# KiCad board ADHW.kicad_pcb (continued)
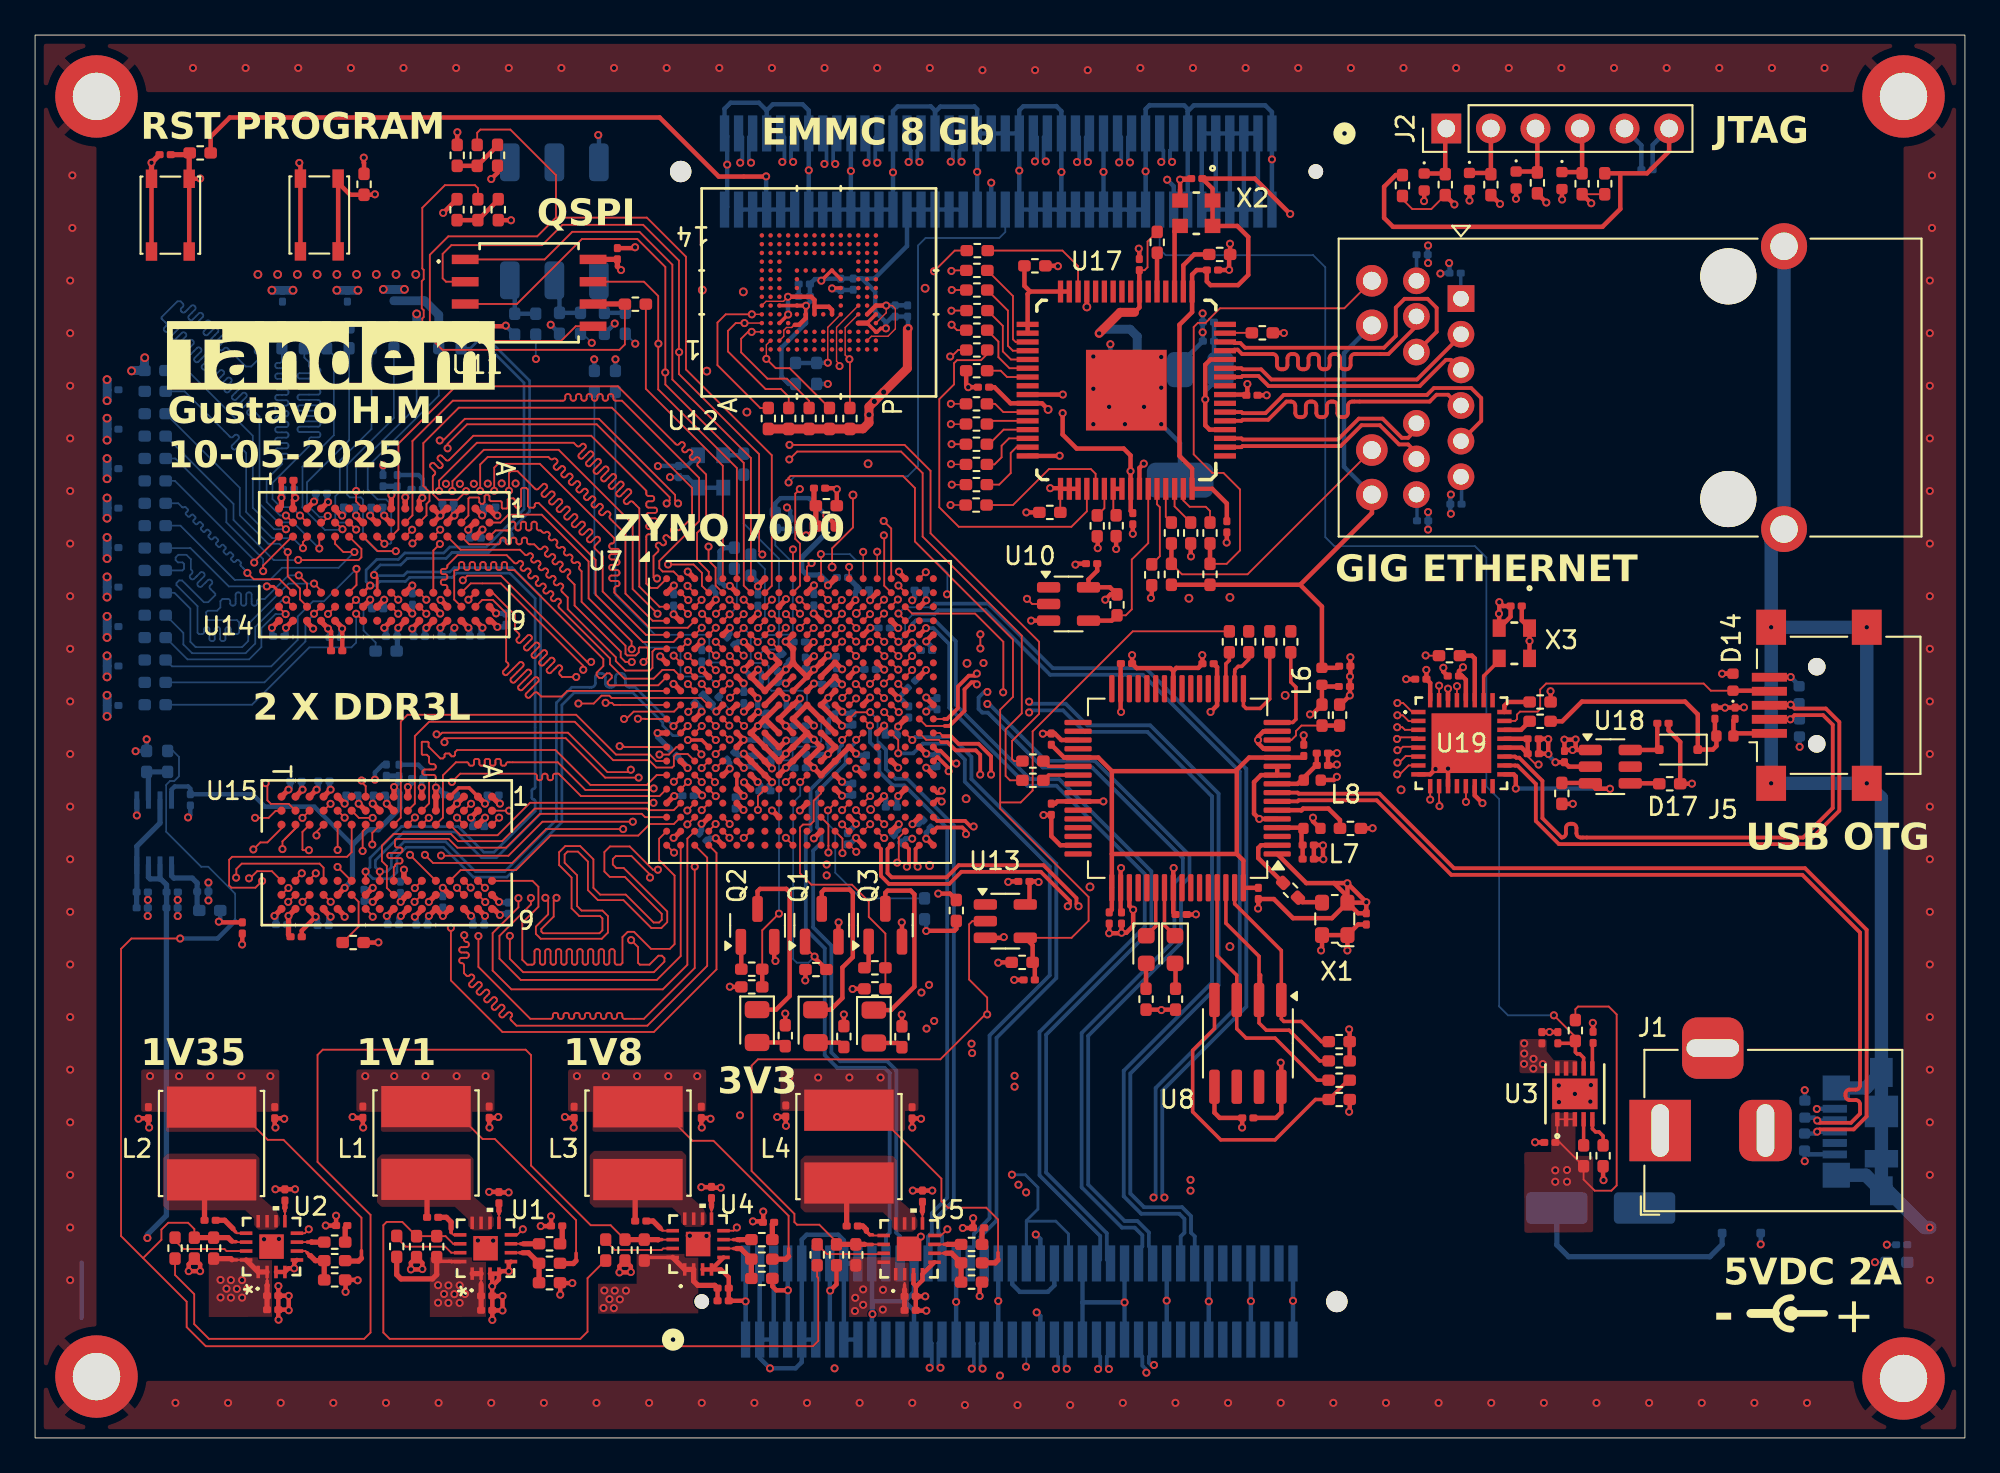
[diagram p0: board, top side]
## Routing (per net, layer and track width the routed paths; a pad name or vN(x,y) marks a point on that pad's centre or on a via; arc(x,y) is an arc through that point) (continued)
PL_B34_L17_N: length 82.7
  Top w0.216: v1(50.31,32.57) 50.19,32.7 50.19,33.59 U7.Y19
  In3.Cu w0.216: v1(57.61,72.8) 57.49,72.68 57.49,71.9 62.17,67.22 65.21,67.22 68.1,64.33 68.1,55.04 70.71,52.43 70.71,38.72 68.23,36.24 68.23,30.04 62.97,24.78 51.68,24.78 51.06,25.4 v1(50.52,25.4)
  In5.Cu w0.216: v1(50.52,25.4) 51.17,25.4 51.41,25.64 51.41,26.6 50.38,27.63 50.38,32.5 v1(50.31,32.57)
  Bottom w0.216: v1(57.61,72.8) 57.49,72.92 57.49,74.18 J7.33
PL_B34_L17_P: length 80.6
  Top w0.216: U7.Y18 49.81,33.59 49.81,32.7 v1(49.69,32.57)
  In3.Cu w0.216: v1(56.99,72.8) 57.11,72.68 57.11,71.74 62.01,66.84 65.06,66.84 67.72,64.17 67.72,54.88 70.33,52.27 70.33,38.88 67.85,36.4 67.85,30.2 62.81,25.16 51.84,25.16 51.22,25.78 51.02,25.78 v1(50.96,25.84)
  In5.Cu w0.216: v1(50.96,25.84) 50.96,26.52 50.01,27.47 50.01,32.26 v1(49.69,32.57)
  Bottom w0.216: v1(56.99,72.8) 57.11,72.92 57.11,74.18 J7.35
PL_B34_L18_N: length 82.9
  Top w0.102: U7.W16 48.39,34.21
  In3.Cu w0.216: v1(48.01,72.72) 47.55,72.26 47.55,71.62 49.85,69.32 53.44,69.32 56.14,66.62 56.14,64.22 59.6,60.76 59.6,53.53 60.35,52.78 63.1,52.78 64.87,51.01 64.87,40.37 63.05,38.55 63.05,35.53 56.98,29.46 51.9,29.46 51.23,30.13 44.99,30.13 43.87,31.25 43.87,32.12 44.33,32.58 45,32.58 v1(45.12,32.7)
  In5.Cu w0.216: v1(45.12,32.7) 44.92,32.7 44.65,32.43 44.65,31.81 44.88,31.58 45.34,31.58 46.07,32.31 47.19,32.31 47.97,33.09 47.97,34.04 48.14,34.21 v1(48.4,34.21)
  Bottom w0.216: v1(48.01,72.72) 47.89,72.84 47.89,74.18 J7.57
PL_B34_L18_P: length 79.3
  Top w0.102: U7.V16 v1(48.4,35)
  In3.Cu w0.216: v1(45.12,32.08) 45,32.2 44.49,32.2 44.25,31.96 44.25,31.41 45.15,30.51 51.39,30.51 52.06,29.84 56.82,29.84 62.67,35.69 62.67,38.71 64.49,40.53 64.49,50.85 62.94,52.4 60.19,52.4 59.22,53.37 59.22,60.6 55.76,64.06 55.76,66.47 53.29,68.94 49.69,68.94 47.17,71.47 47.17,72.42 47.39,72.63 v1(47.39,72.72)
  In5.Cu w0.216: v1(48.4,35) 47.59,34.19 47.59,33.25 47.03,32.69 45.73,32.69 v1(45.12,32.08)
  Bottom w0.216: v1(47.39,72.72) 47.51,72.84 47.51,74.18 J7.59
PL_B34_L22_P: length 2
  Top w0.102: 49.23,34.23 49.23,32.9 v1(49.14,32.81) ; 49.23,34.23 U7.W18 ; 49.23,34.23 49.2,34.2
PL_B35_IO25: length 5.2
  Bottom w0.254: J6.46 58.1,8.7 57.73,8.33 56.13,8.33 55.7,8.76 J6.40
PL_B35_L3_N: length 63.5
  Top w0.102: U7.D18 49.6,46.62 v1(49.21,47.01)
  In5.Cu w0.216: v1(63.34,3.72) 63.34,11.83 64.42,12.9 64.4,12.92 64.4,13.36 64.37,13.39 v1(64.37,13.71)
  Bottom w0.102: 51.05,47.37 49.57,47.37 v1(49.21,47.01)
  Bottom w0.216: v1(64.37,13.71) 64.25,13.83 64.25,19.8 69.04,24.59 69.04,38.16 63.3,43.9 58.01,43.9 54.33,47.58 51.26,47.58 51.05,47.37 ; v1(63.34,3.72) 63.34,3.89 63.11,4.12 63.11,4.63 62.9,4.85 J6.57
PL_B35_L3_P: length 65.1
  Top w0.102: v1(49.21,45.4) 48.81,45.8 U7.E17
  In5.Cu w0.216: v1(63.78,4.16) 63.72,4.22 63.72,11.67 64.97,12.92 64.97,13.96 64.75,14.18 64.03,14.18 63.75,13.9 v1(63.75,13.71)
  Bottom w0.102: v1(49.21,45.4) 49.59,45.78 49.59,46.52 50.06,46.99
  Bottom w0.216: v1(63.75,13.71) 63.87,13.83 63.87,19.96 68.66,24.75 68.66,38 63.14,43.52 57.85,43.52 54.17,47.2 51.49,47.2 51.28,46.99 50.06,46.99 ; J6.59 63.7,4.85 63.49,4.63 63.49,4.28 63.61,4.16 v1(63.78,4.16)
PL_B35_L5_N: length 47.2
  Top w0.254: v1(50.78,46.18) U7.E19
  Bottom w0.216: v1(50.78,46.18) 51.2,46.18 52.1,45.28 52.1,41.65 56.56,37.19 58.22,37.19 63.25,32.16 63.25,29.15 57.25,23.15 57.25,14.98 60.71,11.52 60.71,10.16 J6.52
PL_B35_L5_P: length 48.9
  Top w0.216: U7.E18 v1(49.99,46.19)
  Bottom w0.216: J6.54 61.09,10.16 61.09,11.67 57.63,15.13 57.63,22.99 63.63,28.99 63.63,32.31 58.37,37.57 56.71,37.57 52.48,41.8 52.48,45.43 51.28,46.63 50.22,46.63 49.99,46.4 v1(49.99,46.19)
PL_B35_L6_N: length 50.9
  Top w0.102: U7.F17 v1(49.21,44.59)
  In7.Cu w0.102: v1(49.21,44.59) 49.6,44.98 50.23,44.98 50.4,44.81 50.67,44.81
  In7.Cu w0.216: 50.67,44.81 51.13,44.81 53.56,42.39 54.13,42.39 v1(54.28,42.54)
  Bottom w0.216: v1(54.28,42.54) 54.1,42.54 53.78,42.22 53.78,41.57 53.99,41.36 54.31,41.36 57.44,38.23 60.25,38.23 65.42,33.06 65.42,32.13 64.94,31.65 64.94,28.38 59.65,23.09 59.65,14.29 61.95,11.99 62.68,11.99 63.11,11.56 63.11,10.92 62.9,10.71 J6.58
PL_B35_L6_P: length 50.6
  Top w0.102: U7.F16 48.41,44.59 v1(48.41,44.58)
  In7.Cu w0.102: 50.67,44.43 50.54,44.43 50.29,44.18 48.81,44.18 v1(48.41,44.58)
  In7.Cu w0.216: 50.67,44.43 50.98,44.43 53.4,42.01 54.13,42.01 v1(54.28,41.86) 54.19,41.86
  Bottom w0.216: v1(54.28,41.86) 54.4,41.74 54.5,41.74 57.62,38.61 60.41,38.61 65.8,33.22 65.8,31.98 65.32,31.5 65.32,28.22 60.03,22.93 60.03,14.45 62.11,12.37 62.84,12.37 63.49,11.72 63.49,10.92 63.7,10.71 J6.60
PL_B35_L7_N: length 45.1
  Top w0.102: 51.75,40.02 51.57,40.2 U7.M20
  Top w0.216: v1(54.49,37.83) 54.49,38.87 53.78,39.59 52.63,39.59 52.2,40.02 51.75,40.02
  In5.Cu w0.216: v1(51.61,4) 51.61,4.09 51.84,4.31 51.84,7.93 52.49,8.58 53.61,8.58 54.9,9.87 54.9,15.08 57.85,18.03 57.85,28.96 56.52,30.29 56.52,35.72 54.49,37.74 v1(54.49,37.83)
  Bottom w0.216: J6.29 51.49,5.4 51.49,4.12 v1(51.61,4)
PL_B35_L7_P: length 45.5
  Top w0.102: U7.M19 50.79,39.81 51.52,39.81 51.66,39.67
  Top w0.216: 51.66,39.67 52,39.67 52.47,39.21 53.62,39.21 53.87,38.96 v1(53.87,37.83)
  In5.Cu w0.216: v1(50.99,4) 51.46,4.47 51.46,8.09 52.33,8.96 53.45,8.96 54.52,10.03 54.52,15.24 57.47,18.19 57.47,28.8 56.14,30.14 56.14,35.56 v1(53.87,37.83)
  Bottom w0.216: J6.27 51.11,5.4 51.11,4.12 v1(50.99,4)
PL_B35_L8_N: length 37.2
  Top w0.102: U7.M18 v1(50,39.8)
  Bottom w0.216: J6.36 54.1,10.71 53.89,10.92 53.89,11.48 54.8,12.39 54.8,22.81 58.21,26.22 58.21,32.74 53.37,37.58 53.37,38.84 52.24,39.97 50.17,39.97 v1(50,39.8)
PL_B35_L8_P: length 38.3
  Top w0.102: U7.M17 49.2,39.8 v1(49.2,39.04)
  Bottom w0.216: v1(49.2,39.04) 50.05,39.04 50.6,39.59 52.09,39.59 52.99,38.68 52.99,37.43 57.83,32.59 57.83,26.38 54.4,22.95 54.4,12.53 53.51,11.64 53.51,10.92 53.3,10.71 J6.34
PL_B35_L9_N: length 64.6
  Top w0.102: U7.L20 51.81,41
  Top w0.216: 51.81,41 51.98,41 52.6,41.62 52.6,42.85 53.22,43.47 53.56,43.47 v1(53.68,43.59)
  In5.Cu w0.216: v1(65.86,14.1) 65.98,14.22 66.42,14.22 67.24,15.04 67.24,33.01 56.66,43.59 v1(53.68,43.59) ; v1(54.01,3.95) 53.89,4.07 53.89,4.76 56.08,6.95 56.08,13.76 56.32,14 v1(56.49,14)
  In7.Cu w0.216: v1(65.86,14.1) 65.74,14.22 56.54,14.22 56.49,14.17 v1(56.49,14)
  Bottom w0.216: J6.35 53.89,5.4 53.89,4.07 v1(54.01,3.95)
PL_B35_L9_P: length 65.1
  Top w0.102: 51.85,40.6 50.8,40.6 U7.L19
  Top w0.216: 51.85,40.6 52.12,40.6 52.98,41.46 52.98,42.69 53.38,43.09 53.56,43.09 v1(53.68,42.97)
  In5.Cu w0.216: v1(65.86,14.72) 65.98,14.6 66.26,14.6 66.86,15.2 66.86,32.85 56.5,43.21 53.92,43.21 v1(53.68,42.97) ; v1(56.05,14.44) 56.05,14.27 55.7,13.92 55.7,7.11 53.51,4.92 53.51,4.07 v1(53.39,3.95)
  In7.Cu w0.216: v1(65.86,14.72) 65.74,14.6 56.38,14.6 56.22,14.44 v1(56.05,14.44)
  Bottom w0.216: v1(53.39,3.95) 53.51,4.07 53.51,5.4 J6.33
PL_B35_L11_N: length 59.4
  Top w0.102: U7.L17 48.79,41 v1(48.4,41.39)
  In2.Cu w0.102: 45.56,3.97 v1(45.57,3.97) 46.14,3.97 47.4,5.23 55.31,5.23 v1(56.48,4.06)
  In5.Cu w0.102: v1(48.4,41.39) 48.02,41.01 44.2,41.01 44.02,40.83 44.02,31.71 45.22,30.51 45.22,29.25 48.73,25.74 48.73,6.04 46.66,3.97 v1(45.57,3.97)
  Bottom w0.102: v1(56.48,4.06) 56.5,4.08 J6.41
PL_B35_L13_N: length 0.6
  Top w0.102: 48.76,43.4 v1(48.38,43.02)
  Top w0.3: U7.H17 48.76,43.4
PL_B35_L13_P: length 0.6
  Top w0.102: 48,43.41 v1(47.59,43)
  Top w0.3: U7.H16 48,43.41
PL_B35_L14_N: length 49.3
  Top w0.102: U7.H18 v1(49.99,43.79)
  In5.Cu w0.216: v1(58.81,3.94) 58.69,4.06 58.69,5.57 57.99,6.27 57.99,15.4 59.47,16.88 59.47,28.9 58.27,30.1 58.27,33.96 58.7,34.39 58.7,35.84 55.16,39.38 51.99,39.38 50.29,41.08 50.29,42.97 49.99,43.27 v1(49.99,43.79)
  Bottom w0.216: v1(58.81,3.94) 58.69,4.06 58.69,4.63 58.9,4.85 J6.47
PL_B35_L14_P: length 49
  Top w0.102: U7.J18 v1(49.2,43)
  In5.Cu w0.216: v1(49.2,43) 49.72,43 49.91,42.81 49.91,40.92 51.83,39 55,39 58.34,35.66 58.34,34.57 57.89,34.12 57.89,29.95 59.09,28.75 59.09,17.04 57.61,15.56 57.61,6.11 58.31,5.41 58.31,4.06 v1(58.19,3.94)
  Bottom w0.216: v1(58.19,3.94) 58.31,4.06 58.31,4.63 58.1,4.85 J6.45
PL_B35_L16_N: length 53.2
  Top w0.102: U7.G18 v1(49.99,44.59)
  In5.Cu w0.102: 50.76,44.68 50.67,44.59 v1(49.99,44.59)
  In5.Cu w0.216: v1(61.21,3.93) 61.09,4.05 61.09,12.22 63.52,14.65 63.52,35.15 59.47,39.2 57.43,39.2 56.28,40.35 53.75,40.35 51.96,42.14 51.96,43.88 51.16,44.68 50.76,44.68
  Bottom w0.216: v1(61.21,3.93) 61.09,4.05 61.09,4.63 61.3,4.85 J6.53
PL_B35_L16_P: length 53.5
  Top w0.102: 48.81,44.2 v1(49.2,43.81)
  Top w0.3: U7.G17 48.81,44.2
  In5.Cu w0.102: 50.76,44.3 50.24,44.3 50.11,44.17 49.56,44.17 v1(49.2,43.81)
  In5.Cu w0.216: 50.76,44.3 51.01,44.3 51.58,43.73 51.58,41.98 53.59,39.97 56.12,39.97 57.27,38.82 59.31,38.82 63.14,34.99 63.14,14.81 60.71,12.38 60.71,4.05 v1(60.59,3.93)
  Bottom w0.216: J6.51 60.5,4.85 60.71,4.63 60.71,4.05 v1(60.59,3.93)
PL_B35_L20_N: length 57.5
  Top w0.102: v1(46.01,42.2) 46.01,42.21 U7.J14
  In3.Cu w0.102: 50.48,40.43 49.91,40.99 47.22,40.99 v1(46.01,42.2)
  In3.Cu w0.216: 50.48,40.43 51.76,39.14 54.18,39.14 56.53,41.49 56.54,41.49 v1(56.66,41.37)
  Bottom w0.216: J6.64 65.3,11.49 65.51,11.71 65.51,12.49 65.22,12.78 63.05,12.78 62.05,13.78 62.05,20.94 67.08,25.97 67.08,36.58 63.41,40.26 59.82,40.26 58.59,41.49 56.78,41.49 v1(56.66,41.37)
PL_B35_L20_P: length 57.2
  Top w0.102: 46.43,41.8 v1(46.8,42.17)
  Top w0.3: U7.K14 46.43,41.8
  In3.Cu w0.102: 50.74,40.69 49.64,41.8 47.17,41.8 v1(46.8,42.17)
  In3.Cu w0.216: v1(56.66,41.99) 56.54,41.87 56.37,41.87 54.02,39.52 51.92,39.52 50.74,40.69
  Bottom w0.216: J6.66 66.1,11.49 65.89,11.71 65.89,12.65 65.38,13.16 63.21,13.16 62.43,13.94 62.43,20.78 67.46,25.81 67.46,36.74 63.56,40.64 59.98,40.64 58.75,41.87 56.78,41.87 v1(56.66,41.99)
PL_B35_L22_N: length 33.9
  Top w0.102: v1(47.59,40.62) 47.21,41 U7.L15
  Bottom w0.216: J6.28 50.9,11.49 51.11,11.71 51.11,12.82 51.99,13.7 51.99,34.77 49.55,37.21 48.89,37.21 48.12,37.98 48.12,39.14 47.59,39.67 v1(47.59,40.62)
PL_B35_L22_P: length 35.6
  Top w0.102: v1(47.6,41.39) 47.59,41.38 46.78,41.38 U7.L14
  Bottom w0.102: v1(47.6,41.39) 48.02,40.97 48.02,39.72 48.08,39.66
  Bottom w0.216: J6.30 51.7,11.49 51.49,11.71 51.49,12.66 52.37,13.54 52.37,34.93 49.7,37.59 49.05,37.59 48.5,38.14 48.5,39.24 48.08,39.66
PL_B35_L23_N: length 35.3
  Top w0.102: U7.M15 46.81,39.81 v1(46.8,39.81)
  Bottom w0.216: v1(46.8,39.81) 46.8,39.7 46.21,39.11 46.21,38.46 44.58,36.83 44.58,34.82 44.82,34.58 44.82,33.96 44.35,33.49 44.35,29.12 45.39,28.08 45.39,21.98 45.89,21.48 48.57,21.48 49.09,20.96 49.09,11.71 49.3,11.49 J6.24
PL_B35_L23_P: length 34.9
  Top w0.102: U7.M14 v1(46,39.8)
  Bottom w0.216: J6.22 48.5,11.49 48.71,11.71 48.71,20.81 48.41,21.1 45.73,21.1 45.01,21.83 45.01,27.92 43.93,29 43.93,34.39 44.2,34.66 44.2,36.99 45.83,38.62 45.83,39.34 46,39.51 v1(46,39.8)
PL_B35_L24_N: length 66.3
  Top w0.102: 48,42.58 v1(48.39,42.19)
  Top w0.3: U7.J16 48,42.58
  In5.Cu w0.102: v1(40.18,18.4) 40.18,20.65 41.25,21.72 44.02,21.72 44.68,22.38 44.68,26.33 43.92,27.09 43.92,30.92 43.24,31.6 43.24,34.56 42.43,35.37 42.43,41.61 42.63,41.81 48.01,41.81 v1(48.39,42.19)
  In7.Cu w0.16: v1(40.18,18.4) 40.18,15.58 40.72,15.04 53.6,15.04 53.87,14.77 55.44,14.77 v1(55.68,15.01)
  Bottom w0.16: J6.48 58.9,11.64 58.18,12.36 56.5,12.36 J6.42 56.5,12.39 57.16,13.05 57.16,14.29 56.44,15.01 v1(55.68,15.01)
PS_NPOR: length 101.7
  Top w0.102: U13.4 59.08,28.52 60.05,29.49 60.05,30.85 55.01,35.89 55.01,36.24 ; 55.01,36.24 56.18,36.24 56.86,36.92 56.86,40.29 62.57,46 R62.1 ; 55.01,36.24 55.01,41.53 55.74,42.26 55.74,45.53 50.15,51.12 50.15,54.17 49.46,54.86 43.06,54.86 42.94,54.74 42.94,54.5 v1(42.95,54.49) ; v1(40.39,47.8) 40.4,47.8 U7.C7
  Top w0.254: C114.1 56.98,26.99 R90.1 56.86,28.1 U13.4
  In3.Cu w0.102: v1(42.95,54.49) 42.72,54.49 40.33,52.1 40.33,51.65 40.56,51.42 42.05,51.42 42.5,50.97 42.5,49.78 42.07,49.35 40.76,49.35 40.39,48.98 v1(40.39,47.8)
  Bottom w0.102: J7.40 55.3,68.77 54.96,68.43 50.76,68.43 50.33,68 50.33,55.43 49.73,54.83 43.29,54.83 v1(42.95,54.49)
PS_NRST: length 66.5
  Top w0.102: v1(43.59,54.11) 43.33,53.85 43.33,51.27 43.6,51 43.6,48.6 U7.B10
  Top w0.254: v1(9.41,71.82) 9.39,71.8 SW3.1 SW3.1
  Top w0.3: SW3.1 8.78,73.25 R83.1 8.71,73.18 C109.1
  In5.Cu w0.102: v1(9.41,71.82) 10.86,70.37 34.19,70.37 35.54,69.02 35.54,65.1 43.59,57.05 v1(43.59,54.11)
  In7.Cu w0.102: v1(45.19,60.1) 45.17,60.09 45.17,55.69 v1(43.59,54.11)
  Bottom w0.254: R87.1 45.18,60.11 v1(45.19,60.1)
PWR_EN: length 71.3
  Top w0.102: v1(86.57,24.1) 87.8,22.87 R6.2
  Top w0.2: U3.7 88.27,21.68 88.05,21.9 87.9,21.9 87.8,22 R6.2 87.67,22.5 C11.1
  Bottom w0.102: J7.18 64.1,67.79 64.44,67.45 72.85,67.45 73.54,66.76 73.54,51.37 74.05,50.86 82.07,50.86 82.72,50.21 82.72,37.16 83.45,36.43 83.45,24.61 83.96,24.1 v1(86.57,24.1)
QSPI_DQ0_M3: length 60.6
  Top w0.102: R44.1 25.2,74.43 25.38,74.61 27.09,74.61 29.69,72.01 29.69,69.59 ; U11.5 30.81,63.39 29.98,62.56 23.31,62.56 22.5,63.37 22.5,67.47 23.55,68.52 28.62,68.52 29.69,69.59 ; 29.69,69.59 34.87,69.59 37.1,67.36 37.1,60.93 41.99,56.04 41.99,48.59 U7.B8
QSPI_DQ1_M1: length 50.9
  Top w0.102: U7.D6 40.01,46.6 v1(40.39,46.98) ; U11.2 23.42,65.93 23.23,66.13 23.23,67.52 23.73,68.02 28.9,68.02 30.06,69.18 34.66,69.18 36.7,67.14 36.7,60.67 41.27,56.1 41.27,50.56 v1(41.45,50.38)
  In3.Cu w0.102: v1(40.39,46.98) 40.01,46.6 39.35,46.6 39.2,46.75 39.2,47.2 38.96,47.44 38.56,47.44 38.4,47.6 38.4,49.01 39.76,50.37 41.44,50.37 v1(41.45,50.38)
  In5.Cu w0.102: v1(36.71,61.92) 33.76,61.92 33.24,62.44 31.74,62.44 v1(31.73,62.45)
  Bottom w0.102: R39.1 31.22,62.96 v1(31.73,62.45)
QSPI_DQ2_M2: length 43.3
  Top w0.102: U11.3 27.47,64.66 31.17,68.37 34.33,68.37 35.92,66.78 35.92,60.07 40.39,55.6 40.39,48.61 U7.B7
  In5.Cu w0.102: v1(35.92,60.76) 29.32,60.76 v1(28.55,61.53)
  Bottom w0.102: R40.1 28.54,61.54 v1(28.55,61.53)
QSPI_DQ3_M0: length 24.2
  Top w0.102: U7.A6 40,55.31 35.52,59.79 35.52,65.12 34.7,65.93 U11.7
  In5.Cu w0.102: v1(34.21,62.4) v1(35.53,62.4)
  Bottom w0.102: v1(34.21,62.4) 33.64,62.96 R38.1
UART1_RX: length 40.1
  Top w0.102: U7.B5 38.79,48.61 38.79,49.63 38.39,50.03 v1(38.39,50.83) ; v1(43,56.63) 49.56,56.63 51.04,55.15 51.04,51.59 57.23,45.4 57.23,41.29 55.69,39.75 55.69,38.72 55.81,38.6 R63.1
  In3.Cu w0.102: v1(38.39,50.83) 38.39,51.39 38.54,51.54 38.54,52.99 42.18,56.63 v1(43,56.63)
UART1_TX_VCFG1: length 47.6
  Top w0.102: R64.1 55.57,37.5 55.32,37.75 55.32,40.4 56.24,41.32 56.24,45.75 50.59,51.4 50.59,55.02 49.36,56.25 43.44,56.25 v1(42.99,55.8) ; v1(39.59,46.97) 39.22,46.6 U7.D5
  In3.Cu w0.102: v1(39.59,46.97) 39.59,47.36 39.51,47.44 39.36,47.44 39.2,47.6 39.2,48.95 40.01,49.76 41.84,49.76 42.05,49.97 42.05,50.73 41.89,50.88 39.91,50.88 39.61,51.18 39.61,52.4 42.99,55.79 v1(42.99,55.8)
  Bottom w0.102: R66.1 40,49.43 40,47.38 v1(39.59,46.97)
USB_CLK: length 41.2
  Top w0.102: v1(77.65,41.91) 77.98,41.91 78.49,41.4 U19.1 ; v1(44.26,49.89) 44.21,49.89 44,49.68 U7.A11
  In7.Cu w0.102: v1(44.26,49.89) 44.89,49.89 46.87,51.87 50.97,51.87 56.59,46.25 70.44,46.25 75.26,41.43 76.16,41.43 76.64,41.91 v1(77.65,41.91)
USB_DATA0: length 37.3
  Top w0.076: U7.A14 v1(46.4,49.67)
  Top w0.102: v1(77.64,40.53) 77.93,40.53 78.08,40.38 U19.3
  In7.Cu w0.102: v1(46.4,49.67) 46.63,49.9 51.72,49.9 56.16,45.46 70.06,45.46 75.11,40.41 77.21,40.41 77.33,40.53 v1(77.64,40.53)
USB_DATA1: length 37.2
  Top w0.102: U19.4 78.77,39.95 77.86,39.95 77.77,39.86 v1(77.63,39.86) ; U7.D15 47.21,46.6 v1(47.59,46.98)
  In7.Cu w0.102: v1(47.59,46.98) 48,47.39 48,48.56 48.4,48.96 52.05,48.96 55.96,45.05 69.93,45.05 74.98,40 77.49,40 v1(77.63,39.86)
USB_DATA2: length 40.9
  Top w0.102: v1(44.79,50.4) 44.8,50.39 U7.A12 ; U19.5 78.8,39.42 77.97,39.42 77.77,39.22 v1(77.65,39.22)
  In7.Cu w0.102: 51.99,48.11 52.25,48.11 55.68,44.68 61.61,44.68 62.22,44.07 68.6,44.07 72.09,40.58 72.92,40.58 73.9,39.6 76.9,39.6 77.28,39.22 v1(77.65,39.22)
  Bottom w0.102: v1(51.98,48.11) 52,48.13 52,49.34 51.33,50.01 46.83,50.01 46.44,50.4 v1(44.79,50.4)
USB_DATA3: length 42.2
  Top w0.102: U19.6 78.82,38.88 78.12,38.88 77.8,38.56 77.7,38.56 v1(77.65,38.51) ; U7.F12 v1(45.19,45.39)
  In7.Cu w0.102: v1(77.65,38.51) 77.08,38.51 75.67,37.1 74,37.1 71.76,39.34 71.76,40.26 68.37,43.65 61.96,43.65 61.37,44.24 55.23,44.24 54.05,45.42 53.47,45.42 51.49,47.4 48.9,47.4 48.81,47.31 48.81,45.16 48.65,45 45.58,45 v1(45.19,45.39)
USB_DATA4: length 37.6
  Top w0.102: U7.C16 48,47.41 v1(48.39,47.8) ; U19.7 78.85,38.35 78.29,38.35 77.82,37.88 77.68,37.88 v1(77.64,37.84) ; v1(53.88,45.02) v1(53.88,45.83)
  In7.Cu w0.102: v1(53.88,45.83) 53.67,45.83 51.33,48.17 48.76,48.17 v1(48.39,47.8) ; v1(77.64,37.84) 77.23,37.84 76.09,36.7 73.8,36.7 71.24,39.26 71.24,40.19 68.23,43.2 61.81,43.2 61.16,43.85 55.05,43.85 v1(53.88,45.02)
USB_DATA5: length 54.9
  Top w0.102: U7.A10 v1(43.2,50.67) ; v1(79.52,36.4) U19.9
  In5.Cu w0.102: v1(43.2,50.67) 43.2,48.98 42.4,48.18 42.4,46.76 42.56,46.6 46.16,46.6 46.38,46.38 46.38,43.53 46.52,43.39 48.66,43.39 48.79,43.52 48.79,46.39 48.97,46.57 51.68,46.57 v1(54.06,44.19)
  In7.Cu w0.102: v1(54.06,44.19) 54.08,44.19 54.82,43.45 60.88,43.45 61.57,42.76 67.79,42.76 70.2,40.35 70.2,39.7 73.62,36.28 78.24,36.28 78.47,36.05 79.39,36.05 79.52,36.18 v1(79.52,36.4)
USB_DATA6: length 46.6
  Top w0.102: v1(80.05,36.03) 80.05,36.29 80.03,36.31 U19.10 ; U7.E13 v1(45.98,46.18)
  In7.Cu w0.102: v1(45.98,46.18) 45.59,45.79 44.94,45.79 44.8,45.65 44.8,43.59 44.99,43.4 51.28,43.4 53.31,41.37 54.61,41.37 54.77,41.53 54.77,42.71 55.03,42.97 60.55,42.97 61.21,42.31 67.52,42.31 69.32,40.51 69.32,39.62 69.54,39.4 69.9,39.4 73.53,35.77 78.15,35.77 78.39,35.53 79.68,35.53 80.05,35.9 v1(80.05,36.03)
USB_DATA7: length 41
  Top w0.102: U19.13 81.56,37.16 v1(81.56,36.27) ; U7.C18 49.99,47.01 53.58,47.01 55.19,45.4 55.19,42.53 v1(55.18,42.52)
  In7.Cu w0.102: v1(81.56,36.27) 81.56,35.64 81.05,35.13 78.14,35.13 77.91,35.36 73.4,35.36 69.75,39.01 69.31,39.01 68.8,39.52 68.8,40.35 67.25,41.9 60.88,41.9 60.31,42.47 55.23,42.47 v1(55.18,42.52)
USB_DIR: length 46.9
  Top w0.102: U7.C13 v1(45.98,47.78) ; v1(80.03,42.9) 80.03,42.71 80.03,42.71 U19.31
  In7.Cu w0.102: v1(45.98,47.78) 45.98,48.59 45.34,49.23 44.28,49.23 43.86,49.65 43.86,50.04 46.65,52.83 50.75,52.83 56.49,47.09 57.06,47.09 57.51,46.64 70.6,46.64 74.46,42.78 75.44,42.78 75.78,42.44 78.49,42.44 78.95,42.9 v1(80.03,42.9)
USB_NRST: length 48.9
  Top w0.102: U7.D14 46.41,46.6 46.81,46.2 v1(46.81,46.18) ; v1(79.26,44.62) 79.27,44.61 R158.2
  In7.Cu w0.102: v1(46.81,46.18) 46.41,46.58 44.94,46.58 44.8,46.72 44.8,47.43 43.97,48.26 43.97,49.16 43.55,49.58 43.55,50.12 44.06,50.63 44.06,50.91 46.35,53.2 50.93,53.2 55.83,48.3 56.79,48.3 57.15,47.94 57.15,47.69 57.82,47.02 70.84,47.02 73.93,43.93 78.23,43.93 78.92,44.62 v1(79.26,44.62)
USB_NXT: length 44.2
  Top w0.102: v1(48.4,45.4) U7.E16 ; U19.2 78.84,40.88 78.29,40.88 77.96,41.21 v1(77.65,41.21)
  In7.Cu w0.102: v1(77.65,41.21) 76.56,41.21 76.26,40.91 75.2,40.91 70.26,45.85 56.37,45.85 51.22,51 46.99,51 45.92,49.93 45.92,49.48 47.21,48.19 47.21,46.8 47.4,46.61 47.93,46.61 48.4,46.14 v1(48.4,45.4)
USB_STP: length 48.9
  Top w0.102: v2(45.43,49.66) 45.43,50.73 46.62,51.92 v2(46.62,53.77) ; U7.C15 47.19,47.4 v2(46.81,47.02) ; v1(81.05,42.87) 81.05,42.73 81.04,42.72 U19.29
  In7.Cu w0.102: v2(46.81,47.02) 46.39,47.44 46.39,48.59 45.43,49.55 v2(45.43,49.66) ; v2(46.62,53.77) 50.93,53.77 55.99,48.71 56.96,48.71 57.6,48.07 57.6,47.86 58.06,47.4 71.11,47.4 73.37,45.14 79.86,45.14 80.84,44.16 80.84,43.08 v1(81.05,42.87)
Net-(C8-Pad2): length 1.1
  Top w0.3: R4.2 30.05,11.2 C8.2
Net-(C9-Pad2): length 1
  Top w0.3: C9.2 17.68,11.99 R5.2
Net-(C13-Pad2): length 2.2
  Top w0.3: C13.2 22.34,14.68 L1.1
Net-(C14-Pad2): length 2.5
  Top w0.3: C14.2 9.66,14.32 L2.1
Net-(C27-Pad2): length 1
  Top w0.3: R17.2 42.02,12.19 C27.2
Net-(C28-Pad2): length 1
  Top w0.3: C28.2 53.98,11.86 R18.2
Net-(C30-Pad2): length 2.8
  Top w0.3: 34.2,12.37 34.2,14.67 34.53,14.99
Net-(C31-Pad2): length 2.5
  Top w0.3: L4.1 46.26,14.41 C31.2
Net-(D2-A): length 1.7
  Top w0.254: D2.2 45.85,22.54 R29.2
Net-(D2-K): length 10.9
  Top w0.254: Q1.3 44.84,31.13 44.98,31.27 46.43,31.27 46.61,31.09 46.61,27.42 46.02,26.83 46.02,25.09 45.35,24.42 D2.1
Net-(D3-K): length 3.8
  Top w0.254: 80.38,74.61 R34.1 80.34,72.11 D3.1
  Bottom w0.254: 80.38,74.61 J2.1
Net-(D4-K): length 3.9
  Top w0.254: J2.2 R35.1 82.91,72.14 D4.1
Net-(D5-K): length 3.8
  Top w0.254: D5.1 85.58,72.22 R36.1 85.63,74.56
  Bottom w0.254: 85.63,74.56 J2.3
Net-(D6-K): length 3.8
  Top w0.254: D6.1 88.11,72.19 R37.1 88.18,74.55
  Bottom w0.254: 88.18,74.55 J2.4
Net-(D9-A): length 55.3
  Top w0.254: v1(72.67,41.26) 72.8,41.26 R50.2 73.35,41.82 L6.2 73.44,42.85 C93.1
  In5.Cu w0.254: v1(98.36,11.04) 98.36,10.53 96.86,9.03 86.28,9.03 83.62,11.69 83.62,24.62 73.77,34.47 73.77,41.08 73.61,41.24 72.69,41.24 v1(72.67,41.26)
  Bottom w0.254: v1(98.36,11.04) D9.2
Net-(D10-A): length 1.4
  Top w0.254: R58.1 63.33,27.05 D10.2
Net-(D11-A): length 1.5
  Top w0.254: D11.2 65,27.03 R65.1
Net-(D12-A): length 1.7
  Top w0.254: R80.2 42.55,22.55 D12.2
Net-(D12-K): length 11.1
  Top w0.254: D12.1 42.23,24.42 43.01,25.2 43.01,31.12 42.82,31.31 41.32,31.31 41.18,31.17 Q2.3
Net-(D13-A): length 1.7
  Top w0.254: R94.2 49.17,22.52 D13.2
Net-(D13-K): length 10.8
  Top w0.254: Q3.3 48.46,31.08 48.59,31.21 49.91,31.21 50.12,31 50.12,25.73 48.79,24.4 D13.1
Net-(D14-K): length 17
  Top w0.102: U19.23 84.37,40.89 84.47,40.99 84.47,41.25 84.64,41.42 85.65,41.42 85.79,41.56 85.79,42.68 86.13,43.02 95.11,43.02 95.52,42.61 D14.1
  Top w0.254: 96.76,42.6 D14.1 98.82,42.61 J5.4
Net-(D17-A): length 3.2
  Top w0.254: C198.1 92.47,39.36 D17.2 92.55,39.23 U18.6
Net-(J4-MXCT1): length 1.4
  Bottom w0.2: C187.1 78.77,53.69 78.76,53.7
Net-(J4-MXCT2): length 1.5
  Bottom w0.2: 81.3,54.72 81.31,54.71 C188.1
Net-(J4-MXCT3): length 1.5
  Bottom w0.2: C189.1 81.26,64.96 81.25,64.95
Net-(J4-MXCT4): length 1.5
  Bottom w0.2: 78.71,65.97 78.74,66 C191.1
Net-(Q2-G): length 1.6
  Top w0.254: Q2.1 40.25,28.27 R74.2
Net-(Q3-G): length 1.6
  Top w0.254: R93.2 47.51,27.05 Q3.1
Net-(R38-Pad2): length 3.2
  Bottom w0.254: SW2.1 32.45,65.7 R41.2 R38.2
Net-(R39-Pad2): length 3.2
  Bottom w0.254: SW2.2 29.89,65.72 R42.2 R39.2
Net-(R40-Pad2): length 3.2
  Bottom w0.254: SW2.3 27.34,65.73 R43.2 R40.2
Net-(R44-Pad2): length 2.8
  Top w0.254: R46.2 R44.2 26.36,73.7 R45.1
Net-(R47-Pad2): length 2.9
  Top w0.254: R48.1 26.4,70.6 R47.2 R49.2
Net-(U1-BOOT): length 2
  Top w0.102: 23.72,11.71 23.85,11.58 U1.13
  Top w0.2: 23.71,11.93 23.71,11.72 23.72,11.71
  Top w0.3: 23.71,11.93 23.71,12.31 23.44,12.58 C13.1
Net-(U1-EN): length 4.1
  Top w0.102: R2.2 20.61,11.42 21.12,10.91 23.37,10.91 23.72,10.56 U1.15
Net-(U1-FB): length 3
  Top w0.102: U1.6 27.62,10.56 27.62,10.56
  Top w0.2: 27.62,10.56 27.79,10.56
  Top w0.3: R10.1 R9.2 28.13,10.56 27.79,10.56
Net-(U1-ITH): length 1.6
  Top w0.102: U1.7 27.67,11.07 27.67,11.07
  Top w0.2: 27.67,11.07 27.83,11.07
  Top w0.3: 27.83,11.07 R4.1
Net-(U1-SS): length 1.1
  Top w0.102: 26.44,12.78 26.44,12.78 U1.9
  Top w0.2: 26.44,12.78 26.44,12.94
  Top w0.3: C6.2 26.44,12.94 26.44,12.94
Net-(U2-BOOT): length 2.1
  Top w0.102: 11.43,11.75 11.51,11.67 U2.13
  Top w0.2: 11.43,11.75 11.28,11.9 11.28,11.94
  Top w0.3: C14.1 10.81,12.41 11.28,11.94
Net-(U2-EN): length 4.5
  Top w0.102: R3.2 7.98,11.25 8.46,10.77 10.8,10.77 10.91,10.66 U2.15
Net-(U2-FB): length 2.9
  Top w0.102: 15.51,10.56 15.41,10.66 U2.6
  Top w0.2: 15.66,10.39 15.66,10.41 15.51,10.56
  Top w0.3: R12.1 R11.2 15.98,10.11 15.7,10.39 15.66,10.39
Net-(U2-ITH): length 1.6
  Top w0.102: 15.52,11.17 15.51,11.17 U2.7
  Top w0.2: 15.52,11.17 15.74,11.17
  Top w0.3: R5.1 15.76,11.17 15.75,11.18
Net-(U2-SS): length 1.2
  Top w0.102: U2.9 14.24,12.93 14.24,12.93
  Top w0.2: 14.23,13.12 14.24,13.11 14.24,12.93
  Top w0.3: 14.23,13.12 14.24,13.13 C7.2
Net-(U3-ILIM): length 1.9
  Top w0.2: R13.1 89.38,17.22 89.15,17.45 88.95,17.45 88.77,17.63 U3.5
Net-(U3-SS): length 1.5
  Top w0.2: U3.6 88.77,22.48 C12.1
Net-(U3-VCP): length 1.5
  Top w0.2: U3.4 R14.1
Net-(U4-BOOT): length 1.7
  Top w0.102: U4.13 35.78,11.82 35.72,11.87
  Top w0.2: 35.72,11.87 35.62,11.97
  Top w0.3: C30.1 35.22,12.37 35.62,11.97
Net-(U4-EN): length 4.1
  Top w0.102: U4.15 35.8,10.8 35.72,10.72 33.05,10.72 32.53,11.24 R15.2
Net-(U4-FB): length 2.9
  Top w0.102: 39.81,10.8 39.81,10.8 U4.6
  Top w0.2: 39.81,10.8 39.98,10.8
  Top w0.3: 39.98,10.8 40.22,10.8 R24.2 R25.1
Net-(U4-ITH): length 1.6
  Top w0.102: 39.24,11.31 39.8,11.31 39.81,11.31
  Top w0.2: 39.81,11.31 40.05,11.31
  Top w0.3: 40.05,11.31 40.16,11.31 40.16,11.31 R17.1
Net-(U4-SS): length 1.2
  Top w0.102: U4.9 38.55,13.04 38.56,13.04
  Top w0.2: 38.56,13.04 38.56,13.18
  Top w0.3: C25.2 38.55,13.3 38.56,13.3 38.56,13.18
Net-(U5-BOOT): length 1.8
  Top w0.102: 47.73,11.58 47.77,11.54 U5.13
  Top w0.2: 47.38,11.78 47.58,11.58 47.73,11.58
  Top w0.3: C31.1 47.18,12.08 47.38,11.88 47.38,11.78
Net-(U5-EN): length 4
  Top w0.102: U5.15 48.33,10.48 45.13,10.48 R16.2
Net-(U5-FB): length 2.8
  Top w0.102: 51.79,10.53 51.78,10.53 U5.6
  Top w0.2: 51.79,10.53 51.92,10.53
  Top w0.3: R27.1 R26.2 52.23,10.53 51.92,10.53
Net-(U5-ITH): length 1.5
  Top w0.102: 51.82,11.04 51.81,11.04 U5.7
  Top w0.2: 51.82,11.04 52,11.04 52.01,11.03
  Top w0.3: 52.01,11.03 52.01,11.04 R18.1
Net-(U5-SS): length 1.2
  Top w0.102: U5.9 50.58,12.77
  Top w0.2: 50.57,12.92 50.58,12.91 50.58,12.77
  Top w0.3: 50.57,12.92 50.58,12.93 C26.2
Net-(U6-EN): length 2.8
  Bottom w0.3: U6.2 6.46,37.88 R20.2 6.36,37.98 R19.1
Net-(U6-VDDQ): length 3.9
  Bottom w0.3: R21.2 9.24,30.2 C29.2 9.24,31.65 8.96,31.93 7.91,31.93 7.78,32.06 U6.5
Net-(U7F-PS_MIO16_501): length 24.7
  Top w0.102: R67.1 52.42,67.71 v1(51.24,66.53) ; U7.A19 v1(50.77,49.37)
  In5.Cu w0.102: v1(51.24,66.53) 51.87,67.16 52.62,67.16 53.75,66.03 53.75,59.22 52.91,58.38 51.66,58.38 50.77,57.49 v1(50.77,49.37)
Net-(U7F-PS_MIO17_501): length 21.9
  Top w0.102: U7.E14 46.79,45.41 v1(46.8,45.41) ; R68.1 52.55,63.17 v1(52.24,63.48)
  In5.Cu w0.102: v1(46.8,45.41) 47.2,45.81 47.2,48.68 49.04,50.52 49.04,57.71 51.65,60.32 51.65,62.6 52.24,63.19 v1(52.24,63.48)
Net-(U7F-PS_MIO18_501): length 18.8
  Top w0.102: v1(52.23,64.28) 52.24,64.29 R69.1 ; v1(49.21,48.61) 49.6,48.22 U7.B18
  In5.Cu w0.102: v1(52.23,64.28) 52.75,63.76 52.75,60.24 50.04,57.53 50.04,49.43 49.22,48.61 v1(49.21,48.61)
Net-(U7F-PS_MIO19_501): length 25.6
  Top w0.102: v1(42.8,46.98) 43.18,46.6 U7.D10 ; R70.1 v1(52.25,65.46)
  In5.Cu w0.102: v1(52.25,65.46) 51.8,65.46 50.87,64.53 50.87,60.75 48.14,58.02 48.14,52.99 47.61,52.46 47.61,49.89 46.73,49.01 44,49.01 43.18,48.19 43.18,47.36 v1(42.8,46.98)
Net-(U7F-PS_MIO20_501): length 21.1
  Top w0.102: U7.A17 48.8,51.86 v1(48.37,52.29) ; v1(52.23,66.55) 52.26,66.58 R71.1
  In5.Cu w0.102: v1(48.37,52.29) 48.37,52.3 48.62,52.55 48.62,57.9 51.26,60.54 51.26,64.34 51.82,64.9 52.54,64.9 52.84,65.2 52.84,65.94 v1(52.23,66.55)
Net-(U7F-PS_MIO21_501): length 21.5
  Top w0.102: U7.F14 46.79,44.61 v1(46.79,44.59) ; v1(52.16,61.67) 52.24,61.67 52.61,62.04 R72.1
  In5.Cu w0.102: v1(52.16,61.67) 52.16,61.61 52.2,61.57 52.2,60.29 49.52,57.61 49.52,50.4 47.98,48.86 47.98,44.88 47.69,44.59 v1(46.79,44.59)
Net-(U8-CS): length 11.8
  Top w0.2: R53.1 73.33,22.6 72.18,23.75 71.18,23.75 71.03,23.89 71.03,27.79 68.38,30.45 U9.63
Net-(U8-DI): length 15
  Top w0.2: U9.61 67.38,27.5 68.5,26.38 68.5,23.33 69.03,22.8 70.68,22.8 73.08,20.4 R56.2
Net-(U8-DO): length 17.9
  Top w0.2: R56.1 74.84,20.4 R55.1 72.98,19.3 70.68,17 67.58,17 65.98,18.6 65.98,22.1 67.22,23.34 67.22,24.97
Net-(U8-SCLK): length 14.7
  Top w0.2: R54.1 73.23,21.5 71.48,23.25 70.18,23.25 69.76,23.66 69.76,27.46 67.88,29.35 U9.62
  Top w0.254: 69.82,25.01 69.82,26.38 69.81,26.39
Net-(U9-OSCI): length 3.7
  Top w0.254: R52.2 69.72,33.07 69.72,33.64 69.88,33.8 U9.2
Net-(U9-REF): length 4.4
  Top w0.254: R57.2 74.38,35.23 73.72,35.89 72.28,35.89 72.18,35.79 72.17,35.8 U9.6
Net-(U12B-RST_N): length 4.9
  Top w0.076: 45.18,61.31 45.18,63.33 U12.K5
  Bottom w0.254: v1(45.19,61.31) 44.56,61.31 R87.2 R89.2
Net-(U17-COL_GPIO): length 2.1
  Top w0.102: U17.55 61.46,54.11 61.46,52.78 R145.2
  Top w0.254: U17.55 U17.56
Net-(U17-LED_1): length 2.3
  Top w0.102: U17.62 64.95,53.12 R153.1
Net-(U17-RBIAS): length 1.5
  Top w0.102: R148.1 67.85,63.02 U17.15
Net-(U17-RX_D4_GPIO): length 6.9
  Top w0.102: R144.2 58.44,54.11
  Top w0.254: U17.48 58.39,56 v1(58.4,56.01) ; 58.44,54.11 U17.49 ; U17.49 U17.50 U17.51 ; U17.49 58.42,54.16 v1(57.86,54.16)
  In3.Cu w0.254: v1(58.4,56.01) 57.86,55.47 v1(57.86,54.16)
Net-(U17-RX_ER_GPIO): length 1.7
  Top w0.102: U17.54 60.95,53.02 R147.2
Net-(U17-TX_D4): length 6.3
  Top w0.254: 56.72,65.37 56.39,65.7 R143.2 ; 56.72,65.37 56.58,65.23 U17.33 U17.34 ; 56.72,65.37 U17.32 U17.31
Net-(U17-TX_ER): length 2.5
  Top w0.102: R146.2 55.04,60.86 55.4,60.5 U17.39
Net-(U17-XI): length 3.9
  Top w0.254: X2.3 64.95,68.8 U17.19
Net-(U17-XO): length 3.2
  Top w0.254: U17.18 65.45,66.87 66.07,67.49 R151.1
Net-(U18-EN): length 9.6
  Top w0.254: v1(84.4,37.03) 84.4,37.72 84.28,37.84 U19.17 ; v1(89.77,37.02) 88.96,37.02 U18.3 88.63,37.35 R160.1
  Bottom w0.254: v1(89.77,37.02) 89.76,37.03 v1(84.4,37.03)
Net-(U18-ILIM): length 1.7
  Top w0.254: U18.4 92.55,37.33 R161.1
Net-(U19-REFCLK): length 2.8
  Top w0.2: X3.3 83.45,44.33 82.57,43.45 U19.26
Net-(U19-RESETB): length 3.3
  Top w0.254: R158.1 81.9,44.61 82.06,44.45 U19.27
Net-(X1-OUT): length 1.5
  Top w0.254: X1.3 73.33,30.55 72.24,30.55 R52.1
unconnected-(U7G-NC-PadV5): length 0.6
  Top w0.102: U7.V5 v1(39.59,35.01)

## Copper pours and planes (outline as drawn; the poured copper is in the pictures)
+0V675 on Bottom: 4.5,69.34 4.5,29.36 6.69,29.36 6.89,69.32
+0V675 on Bottom: 21.01,62.97 21.01,65 11.87,65 7.81,69.32 4.5,69.34 4.53,62.9
+1V1 on Top: 19.71,17.46 24.92,17.46 24.92,18.6 26.19,18.6 26.19,21.01 18.31,21.01 18.31,18.6 19.71,18.59
+1V1 on In2.Cu: 40.42,50.47 54.29,50.47 54.29,66.27 68.51,66.27 70.04,64.49 70.06,48.69 44.92,48.69 41.87,45.65 41.87,44.43 43.37,44.43 44.4,45.46 46.54,45.44 46.54,37.09 44.72,37.09 44.72,42.39 44.16,42.95 43.34,42.95 42.41,42.14 42.41,31.73 37.02,26.14 30.67,26.14 29.14,24.51 29.14,19.03 17.2,19.03 17.2,26.91 19.27,28.96 28.64,28.94 31.15,31.68 37.69,31.67 40.42,34.5
+1V8 on Top: 31.77,17.46 36.98,17.46 36.98,18.6 38.25,18.6 38.25,21.01 30.38,21.01 30.38,18.6 31.77,18.59
+1V8 on In2.Cu: 42.44,42.14 43.45,43.03 44.72,43.03 44.75,37.02 46.09,37.03 46.09,45.39 44.47,45.37 43.68,44.58 41.93,44.58 41.93,45.68 44.94,48.64 48.7,48.64 48.7,27.16 71.05,27.16 78.67,35.74 78.62,41.38 70.06,48.69 70.06,64.49 68.54,66.27 38.57,66.27 38.57,72.37 72.62,72.37 74.64,70.19 74.64,51.79 76.18,50.02 83.24,50.02 86.29,46.46 86.29,19.03 29.23,19.03 29.23,24.55 30.69,26.14 37.04,26.14 42.44,31.73
+1V35 on Top: 7.44,17.46 12.65,17.46 12.65,18.6 13.92,18.6 13.92,21.01 6.05,21.01 6.05,18.6 7.44,18.59
+1V35 on In2.Cu: 40.42,50.46 37.52,52.63 37.52,61.97 13.85,61.97 13.85,33.5 5.77,26.14 5.77,19 17.2,19.03 17.18,26.96 19.25,29.02 28.61,29 31.12,31.74 37.78,31.73 40.42,34.37
+3V3 on Top: 44.25,17.5 49.59,17.5 49.59,18.65 50.35,18.65 50.35,21.06 42.48,21.06 42.48,18.65 44.25,18.64
+3V3 on In3.Cu: 71.15,40.31 71.04,27.82 53.12,27.82 51.49,29.5 51.49,33.66 50.78,34.17 50.88,64.09 48.28,66.73 36,66.78 35.88,24.63 44.03,16.49 88.37,16.49 88.37,38.8 86.99,40.36
+5V on Top: 87.91,20.8 87.91,21.55 86.56,21.55 86.16,22.05 86.16,22.75 84.61,22.75 84.61,20.8
+5V on Top: 9.9,10.3 13.5,10.3 13.5,6.91 9.9,6.9
+5V on Top: 22.5,10.3 25.7,10.3 25.7,6.91 22.5,6.9
+5V on Top: 46.4,10.3 49.8,10.3 49.8,6.91 46.4,6.9
+5V on Top: 32.09,8.79 34.29,8.79 34.29,10.49 37.8,10.5 37.8,7.11 32.09,7.09
+5V on In2.Cu: 88.07,23.09 89.34,24.62 90.23,24.62 90.85,25.36 90.86,40.11 86.29,40.11 86.29,26.14 84.77,24.62 82.74,24.62 81.72,23.6 81.72,11.92 6.03,11.92 6.03,7.85 7.04,6.84 86.8,6.84 87.82,7.85
+12V on Top, Bottom: 86.42,18.55 87.81,18.55 87.8,16.09 88.81,16.08 88.81,11.73 84.89,11.7 84.88,14.75 84.89,14.75 84.88,16.3 86.41,16.3 86.42,17.3
GND on In1.Cu, In4.Cu, In6.Cu, In8.Cu: -48,123 -48,-56 216,-56 216,123
GND on In2.Cu: 37.52,61.97 37.52,52.63 40.42,50.47 54.29,50.47 54.29,66.27 38.57,66.27 38.57,72.37 72.62,72.37 74.64,70.19 74.64,51.79 76.18,50.02 83.24,50.02 86.29,46.46 106.24,46.46 106.14,76.5 3.71,76.5 3.56,61.96
GND on In2.Cu: 48.7,48.64 70.06,48.69 78.62,41.38 78.67,35.74 71.05,27.16 48.7,27.16
+VDC on Bottom: 89.74,19.6 89.74,12.1 93.84,12.1 93.84,19.6
Earth on Top, Bottom, In1.Cu, In2.Cu, In3.Cu, In4.Cu, In5.Cu, In6.Cu, In7.Cu, In8.Cu: 0.5,3.25 109.5,3.25 109.5,0.5 0.5,0.5
Earth on Top, Bottom, In1.Cu, In2.Cu, In3.Cu, In4.Cu, In5.Cu, In6.Cu, In7.Cu, In8.Cu: 0.5,79.5 3.5,79.5 3.5,0.5 0.5,0.5
Earth on Top, Bottom, In1.Cu, In2.Cu, In3.Cu, In4.Cu, In5.Cu, In6.Cu, In7.Cu, In8.Cu: 106.5,79.5 109.5,79.5 109.5,0.5 106.5,0.5
Earth on Top, Bottom, In1.Cu, In2.Cu, In3.Cu, In4.Cu, In5.Cu, In6.Cu, In7.Cu, In8.Cu: 0.5,79.5 109.5,79.5 109.5,76.75 0.5,76.75
Net-(C13-Pad2) on Top: 19.49,16.17 24.99,16.17 24.99,13.77 26.15,12.75 26.15,11.84 24.69,11.83 24.69,12.47 23.92,13.18 19.49,13.18
Net-(C14-Pad2) on Top: 7.29,16.21 12.79,16.21 12.79,13.81 13.95,12.79 13.95,11.88 12.49,11.87 12.49,12.51 11.98,12.98 7.29,12.98
Net-(C30-Pad2) on Top: 31.61,16.37 37.11,16.37 37.11,13.97 38.28,12.95 38.28,12.04 36.81,12.03 36.81,12.67 36.31,13.14 31.61,13.14
Net-(C31-Pad2) on Top: 43.63,16.09 49.13,16.09 49.13,13.69 50.29,12.67 50.29,11.76 48.83,11.75 48.83,12.39 48.32,12.86 43.63,12.86

## Text on the board
F.Silkscreen: RST | 1V35 | Gustavo H.M. / 10-05-2025 | PROGRAM | 2 X DDR3L | 1V1 | QSPI | 1V8 | ZYNQ 7000 | 3V3 | EMMC 8 Gb | GIG ETHERNET | JTAG | 5VDC 2A | USB OTG | Tandem | + | -
